# Altium PCB PCB1.PcbDoc (part 2 of 2)
Units mm, origin at the board's own origin, x right, y up, seen from the top; angles counter-clockwise.
Board outline 97.79 x 98.55 mm, 2 copper layers (Top Layer, Bottom Layer); 91 components, 149 nets, 486 pads, 202 vias.
Unrouted connection lines stored in the file: 1.
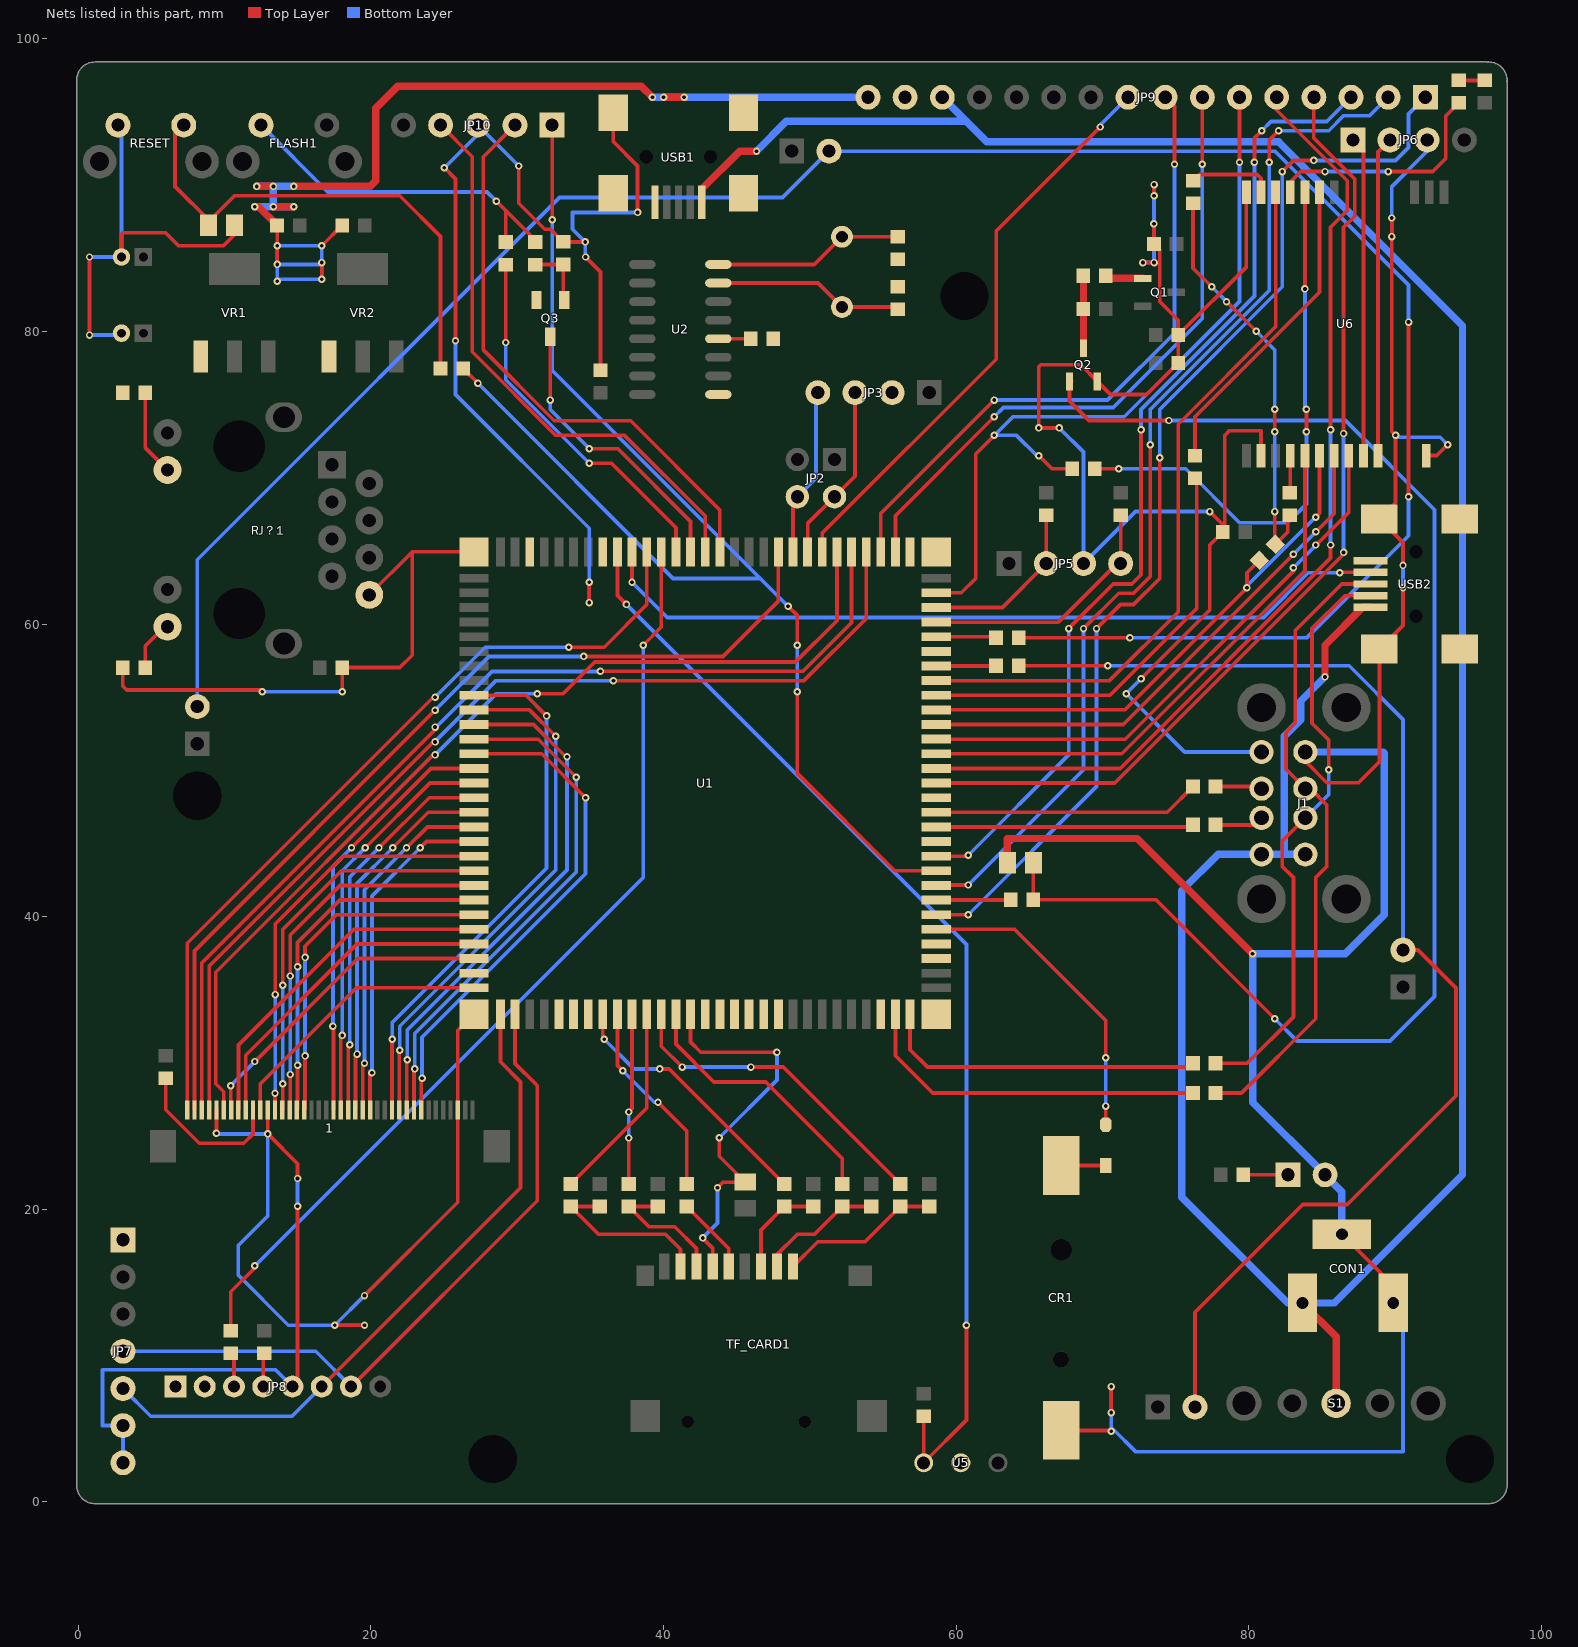
[diagram p2: the nets of this part, all layers, seen from the top]

## Via types
v1: diameter 0.508, hole 0.254, Top Layer to Bottom Layer, 202 vias

## Nets (pads, with @x,y where several pads share a name; then routed paths per layer and width w, separated by ;. In a path a pad name is that pad's centre, name@x,y a point inside that pad or via, vN(x,y) a via of type N, cw(c..) or ccw(c..) an arc to the next point about the centre after c; other vN are vias at no path point) (continued)
GND: 1.5 1.12 1.38 C1.1 C2.1 C3.1 C4.1 C11.2 C12.1 C13.2 C14.1 C15.2 C16.2 C17.2 C18.2 C20.1 C21.1 CON1.2 CON1.3 CR1.2 E1.2 E2.2 J1.4 J1.10 JP3.2 JP5.3 JP6.3 JP7.1 JP7.6 JP7.7 JP8.5 JP9.15 JP9.16 JP10.3 LED1.2 Q2.2 Q3.2 R10.1 R11.1 R33.1 RESET.2 RJ？1.8 TF_CARD1.6 U1.28 U1.36 U1.43 U1.56 U1.61 U1.62 U1.69 U1.72 U1.82 U1.88 U1.109 U1.114 U1.117 U1.118 U1.119 U1.120 U2.1 U5.2 U6.10 U6.12 U6.21 USB1.5 USB2.5 VR1.1 VR2.1 | length 623.7
  Top Layer w0.254: v1(0.762,79.756) v1(0.762,85.09) ; E1.2@2.945,85.09 2.945,86.638 3.048,86.741 5.969,86.741 6.858,85.852 9.906,85.852 10.669,86.615 C18.2@10.669,87.249 ; R11.1@3.04,57.023 3.04,55.761 3.302,55.499 12.446,55.499 v1(12.573,55.372) ; v1(9.439,25.187) 1.5@9.439,26.797 ; 1.12@12.939,26.797 12.939,25.161 v1(12.954,25.146) 14.986,23.114 v1(14.986,22.098) ; C3.1@13.581,87.249 13.589,87.241 v1(13.589,85.852) v1(13.589,84.582) ; JP8.5@14.636,7.874 14.986,8.224 v1(14.986,20.193) ; v1(16.637,83.566) v1(16.637,84.709) ; v1(16.637,85.86) C1.1@18.026,87.249 ; v1(17.526,12.065) v1(19.558,12.065) ; v1(18.034,55.372) 18.034,57.015 C14.1@18.042,57.023 21.971,57.023 22.822,57.874 22.822,64.933 ; v1(19.558,14.097) 25.939,20.478 1.38@25.939,26.797 25.939,32.221 U1.118@27.051,33.333 ; RJ？1.8@19.886,61.997 22.822,64.933 ; v1(25.019,91.186) 25.781,90.424 v1(25.781,79.375) ; U1.117@27.051,64.933 22.822,64.933 ; v1(30.099,91.313) 30.099,88.773 31.877,86.995 32.274,86.995 R33.1@33.147,86.122 v1(34.655,86.122) ; v1(34.671,85.09) 35.687,84.074 C13.2@35.687,77.351 ; v1(34.925,61.468) v1(34.925,62.865) ; USB1.5@36.571,94.948 36.571,92.969 38.227,91.313 v1(38.227,88.138) ; U1.43@41.851,33.333 41.851,31.428 42.545,30.734 v1(47.752,30.734) ; v1(42.672,18.034) 43.357,17.349 TF_CARD1.6@43.357,16.088 ; v1(43.688,21.463) 44.07,21.845 C17.2@45.593,21.845 43.815,23.623 v1(43.815,24.892) ; v1(67.056,73.406) v1(65.659,73.406) 65.659,77.597 65.786,77.724 68.514,77.724 Q2.2@69.657,76.581 70.546,75.692 73.033,75.692 C2.1@75.192,77.851 C4.1@75.192,79.756 ; CR1.2@67.183,4.877 70.561,4.877 v1(70.612,4.826) ; v1(70.612,6.096) v1(70.612,7.874) ; v1(72.644,56.261) 77.343,60.96 77.343,65.413 C20.1@78.224,66.294 ; v1(72.771,84.709) v1(73.533,84.709) ; v1(73.525,87.368) C21.1@73.525,85.979 73.914,85.59 73.914,82.042 75.192,80.764 C4.1@75.192,79.756 ; v1(73.533,89.281) v1(73.533,90.043) ; v1(77.343,67.691) 78.224,66.81 C20.1@78.224,66.294 ; U6.10@79.843,89.518 79.843,84.407 C4.1@75.192,79.756 ; U6.12@80.843,71.518 80.843,73.223 78.684,73.223 78.359,72.898 78.359,66.429 C20.1@78.224,66.294 ; J1.10@83.876,51.252 83.876,50.617 85.344,49.149 87.503,49.149 88.94,50.586 USB2.5@88.94,58.288 90.551,59.899 v1(90.551,62.484) ; CON1.3@86.376,18.289 89.876,14.789 CON1.2@89.876,13.589 ; v1(89.789,87.757) v1(89.789,86.487) 89.789,73.152 v1(90.043,72.898) 90.043,68.291 USB2.5@88.94,67.188 90.551,65.577 v1(90.551,64.008) ; U6.21@92.143,71.518 92.854,71.518 v1(93.599,72.263)
  Top Layer w0.508: v1(12.065,88.519) 12.311,88.519 C3.1@13.581,87.249 ; v1(12.192,89.916) v1(13.335,89.916) ; v1(13.335,88.519) v1(14.732,88.519) ; v1(14.732,89.916) 19.939,89.916 20.32,90.297 20.32,95.25 21.844,96.774 38.481,96.774 v1(39.243,96.012) ; v1(40.005,96.012) v1(41.402,96.012) ; C11.2@63.499,43.688 63.499,45.338 63.5,45.339 72.39,45.339 v1(80.264,37.465)
  Bottom Layer w0.254: v1(0.762,79.756) 2.818,79.756 E2.2@2.945,79.883 ; v1(0.762,85.09) E1.2@2.945,85.09 2.945,93.865 RESET.2@2.703,94.107 ; JP7.7@3.048,2.667 JP7.6@3.048,5.207 1.651,5.207 1.651,9.017 13.493,9.017 JP8.5@14.636,7.874 ; v1@9.398,25.146 v1(9.439,25.187) 9.48,25.146 v1(12.954,25.146) 12.954,19.558 10.922,17.526 10.922,15.494 14.351,12.065 v1(17.526,12.065) ; v1(12.573,55.372) v1(18.034,55.372) ; v1(13.589,83.439) v1@13.589,83.566 ; v1(13.589,85.852) v1(13.589,84.582) ; v1@13.589,85.86 v1(16.637,85.86) v1(16.637,84.709) ; v1(14.986,20.193) v1(14.986,22.098) ; v1(19.558,12.065) v1(17.526,12.065) ; v1(19.558,14.097) v1(17.526,12.065) ; v1(25.019,91.186) 27.305,93.472 JP10.3@27.305,94.107 v1(30.099,91.313) ; v1(25.781,79.375) 25.781,75.692 34.925,66.548 v1(34.925,62.865) ; v1(34.671,85.09) 34.655,85.106 v1(34.655,86.122) 33.782,86.995 33.782,88.138 v1(38.227,88.138) ; v1(34.925,61.468) v1@34.925,62.738 ; v1(42.672,18.034) 43.688,19.05 v1(43.688,21.463) ; v1(43.815,24.892) 47.752,28.829 v1(47.752,30.734) ; v1(65.659,73.406) v1(67.056,73.406) 68.707,71.755 JP5.3@68.707,64.135 72.263,67.691 v1(77.343,67.691) ; v1(70.612,4.826) v1@70.612,4.953 ; v1(70.612,7.874) v1(70.612,6.096) v1@70.612,4.953 ; v1(72.644,56.261) v1(71.628,55.245) 75.621,51.252 J1.4@80.876,51.252 ; v1(72.771,84.709) v1(73.533,84.709) ; v1(73.525,87.368) 73.525,89.273 v1(73.533,89.281) ; v1(73.533,90.043) v1(73.533,89.281) ; v1@73.66,84.709 v1(73.533,84.709) ; v1(89.789,86.487) v1(89.789,87.757) 89.789,89.916 92.202,92.329 JP6.3@92.202,93.091 ; CON1.2@89.876,13.589 90.551,12.914 90.551,3.429 72.263,3.429 70.739,4.953 v1@70.612,4.953 ; v1(90.043,72.898) 90.17,72.771 93.091,72.771 v1(93.599,72.263) ; v1(90.551,62.484) v1(90.551,64.008) ; v1@13.589,83.566 v1(13.589,84.582) ; v1@13.589,83.566 v1(16.637,83.566) 16.637,84.582 v1(13.589,84.582) ; v1(73.533,84.709) v1(73.533,89.281)
  Bottom Layer w0.508: v1(12.065,88.519) v1(13.335,88.519) ; v1(12.192,89.916) v1(13.335,89.916) ; v1(14.732,88.519) v1(13.335,88.519) ; v1(14.732,89.916) v1(13.335,89.916) ; v1(39.243,96.012) v1(40.005,96.012) v1(41.402,96.012) JP9.16@53.975,96.012 ; J1.10@83.876,51.252 89.21,51.252 89.281,51.181 89.281,40.132 86.614,37.465 v1(80.264,37.465) 80.264,27.313 LED1.2@85.225,22.352 86.376,21.201 CON1.3@86.376,18.289 ; v1(13.335,88.519) v1(13.335,89.916)
GPIO_AD_B0_04: R32.1 U1.104 | length 25.4
  Top Layer w0.254: v1(29.21,79.248) R32.1@29.21,84.574 ; v1(34.925,70.993) 36.449,70.993 40.851,66.591 U1.104@40.851,64.933
  Bottom Layer w0.254: v1(29.21,79.248) 29.21,76.708 v1(34.925,70.993)
GPIO_AD_B0_05: Q3.3 U1.103 | length 19.8
  Top Layer w0.254: v1(32.258,75.311) 32.258,78.897 Q3.3@32.258,79.649 ; v1(34.925,71.993) 36.863,71.993 41.851,67.005 U1.103@41.851,64.933
  Bottom Layer w0.254: v1(32.258,75.311) 32.258,74.66 v1(34.925,71.993)
I2C1_SCL: 1.3 U1.92 | length 69
  Top Layer w0.254: 1.3@8.439,26.797 8.439,36.832 24.384,52.777 v1(24.384,52.959) ; v1(35.687,56.769) 49.53,56.769 52.851,60.09 U1.92@52.851,64.933
  Bottom Layer w0.254: v1(24.384,52.959) 24.47,52.959 28.272,56.761 35.679,56.761 v1(35.687,56.769)
I2C1_SDA: 1.4 U1.91 | length 69.1
  Top Layer w0.254: 1.4@8.939,26.797 8.939,36.625 24.257,51.943 v1(24.384,51.943) ; v1(36.576,56.134) 49.602,56.134 53.851,60.383 U1.91@53.851,64.933
  Bottom Layer w0.254: v1(24.384,51.943) 24.384,51.975 28.543,56.134 v1(36.576,56.134)
I2C3_SCL: JP5.4 R29.1 U1.84 | length 17.5
  Top Layer w0.254: U1.84@58.651,60.133 66.991,60.133 70.993,64.135 JP5.4@71.247,64.135 R29.1@71.247,67.429
I2C3_SDA: JP5.2 R28.1 U1.85 | length 12.1
  Top Layer w0.254: U1.85@58.651,61.133 63.165,61.133 JP5.2@66.167,64.135 R28.1@66.167,67.429
IO_0: JP9.1 U1.64 | length 75.6
  Top Layer w0.254: U1.64@58.651,40.133 v1(60.832,40.133) ; v1(69.596,59.69) 71.247,61.341 72.136,61.341 73.914,63.119 v1(73.914,71.374) ; v1(82.296,90.932) 83.058,91.694 v1(84.455,91.694)
  Bottom Layer w0.254: v1(60.832,40.133) 69.596,48.897 v1(69.596,59.69) ; v1(73.914,71.374) 73.914,74.676 82.296,83.058 v1(82.296,90.932) ; v1(84.455,91.694) 90.043,91.694 90.932,92.583 90.932,94.869 JP9.1@92.075,96.012
IO_1: JP9.2 U1.66 | length 71.6
  Top Layer w0.254: U1.66@58.651,42.133 58.682,42.164 v1(60.833,42.164) ; v1(68.707,59.69) 71.12,62.103 72.136,62.103 73.279,63.246 v1(73.279,72.263) ; v1(81.407,91.567) 81.407,93.091 v1(82.042,93.726)
  Bottom Layer w0.254: v1(60.833,42.164) 68.707,50.038 v1(68.707,59.69) ; v1(73.279,72.263) 73.279,74.676 81.407,82.804 v1(81.407,91.567) ; v1(82.042,93.726) 85.471,93.726 86.487,94.742 88.265,94.742 JP9.2@89.535,96.012
IO_2: JP9.3 U1.68 | length 68
  Top Layer w0.254: U1.68@58.651,44.133 60.896,44.133 v1(60.833,44.196) ; v1(67.691,59.69) 70.739,62.738 72.009,62.738 72.644,63.373 v1(72.644,73.279) ; v1(80.391,91.567) 80.391,93.218 v1(80.899,93.726)
  Bottom Layer w0.254: v1(60.833,44.196) 67.691,51.054 v1(67.691,59.69) ; v1(72.644,73.279) 72.644,74.676 80.391,82.423 v1(80.391,91.567) ; v1(80.899,93.726) 81.534,94.361 85.344,94.361 JP9.3@86.995,96.012
IO_3: JP9.4 U1.73 | length 67
  Top Layer w0.254: U1.73@58.651,49.133 70.85,49.133 86.487,64.77 v1(86.487,64.897) ; JP9.4@84.455,96.012 84.455,93.218 87.249,90.424 87.249,87.884 86.487,87.122 v1(86.487,73.025)
  Bottom Layer w0.254: v1(86.487,64.897) v1(86.487,73.025)
IO_4: JP9.5 U1.74 | length 66.9
  Top Layer w0.254: U1.74@58.651,50.133 71.215,50.133 85.598,64.516 v1(85.598,65.405) ; JP9.5@81.915,96.012 81.915,95.123 86.741,90.297 86.741,88.265 85.598,87.122 v1(85.598,73.279)
  Bottom Layer w0.254: v1(85.598,65.405) v1(85.598,73.279)
IO_5: JP9.6 R46.1 U1.86 | length 54.2
  Top Layer w0.254: U1.86@58.651,62.133 60.355,62.133 61.341,63.119 61.341,71.628 v1(62.611,72.898) ; v1(65.659,71.501) 66.548,70.612 R46.1@67.937,70.612 ; v1(79.375,91.567) JP9.6@79.375,96.012
  Bottom Layer w0.254: v1(65.659,71.501) 65.532,71.501 64.135,72.898 v1(62.611,72.898) 63.881,74.168 71.501,74.168 79.375,82.042 v1(79.375,91.567)
IO_6: JP9.7 U1.89 | length 44.2
  Top Layer w0.254: U1.89@55.851,64.933 55.851,67.408 v1(62.611,74.168) ; v1(76.835,91.44) JP9.7@76.835,96.012
  Bottom Layer w0.254: v1(62.611,74.168) 63.246,74.803 70.739,74.803 76.835,80.899 v1(76.835,91.44)
IO_7: JP9.8 U1.90 | length 44.2
  Top Layer w0.254: U1.90@54.851,64.933 54.851,67.551 v1(62.611,75.311) ; JP9.8@74.295,96.012 74.93,95.377 v1(74.93,91.44)
  Bottom Layer w0.254: v1(62.611,75.311) 70.358,75.311 74.93,79.883 v1(74.93,91.44)
IO_8: JP9.9 U1.94 | length 39.7
  Top Layer w0.254: U1.94@50.851,64.933 50.851,66.218 62.738,78.105 62.738,86.868 v1(69.85,93.98)
  Bottom Layer w0.254: v1(69.85,93.98) 69.85,94.107 JP9.9@71.755,96.012
JTAG_TCK: JP10.2 U1.101 | length 39.8
  Top Layer w0.254: JP10.2@29.845,94.107 27.686,91.948 27.686,78.74 32.528,73.898 37.752,73.898 43.851,67.799 U1.101@43.851,64.933
JTAG_TMS: JP10.4 U1.102 | length 39.4
  Top Layer w0.254: JP10.4@24.765,94.107 26.924,91.948 26.924,78.613 32.639,72.898 37.338,72.898 42.851,67.385 U1.102@42.851,64.933
LCD_B3: 1.17 U1.24 | length 23.7
  Top Layer w0.254: 1.17@15.439,26.797 15.494,26.852 v1(15.494,30.48) ; v1(15.494,37.211) 15.494,37.973 17.654,40.133 U1.24@27.051,40.133
  Bottom Layer w0.254: v1(15.494,30.48) v1(15.494,37.211)
LCD_B4: 1.16 U1.23 | length 24.7
  Top Layer w0.254: 1.16@14.939,26.797 14.986,26.844 v1(14.986,29.845) ; v1(14.986,36.576) 14.986,38.227 17.892,41.133 U1.23@27.051,41.133
  Bottom Layer w0.254: v1(14.986,29.845) v1(14.986,36.576)
LCD_B5: 1.15 U1.22 | length 25.9
  Top Layer w0.254: 1.15@14.439,26.797 14.478,26.836 v1(14.478,29.21) ; v1(14.478,35.941) 14.478,38.735 17.876,42.133 U1.22@27.051,42.133
  Bottom Layer w0.254: v1(14.478,29.21) v1(14.478,35.941)
LCD_B6: 1.14 U1.21 | length 27.1
  Top Layer w0.254: 1.14@13.939,26.797 13.97,26.828 v1(13.97,28.575) ; v1(13.97,35.306) 13.97,39.116 17.987,43.133 U1.21@27.051,43.133
  Bottom Layer w0.254: v1(13.97,28.575) v1(13.97,35.306)
LCD_B7: 1.13 U1.20 | length 28.2
  Top Layer w0.254: 1.13@13.439,26.797 v1(13.439,27.917) ; v1(13.462,34.671) 13.462,39.497 18.098,44.133 U1.20@27.051,44.133
  Bottom Layer w0.254: v1(13.439,27.917) 13.462,27.94 v1(13.462,34.671)
LCD_BL: 1.6 U1.93 | length 66.9
  Top Layer w0.254: 1.6@9.939,26.797 9.939,28.034 9.398,28.575 9.398,36.195 24.384,51.181 v1(24.384,51.054) ; v1(31.369,55.245) 33.147,55.245 35.306,57.404 49.022,57.404 51.851,60.233 U1.93@51.851,64.933
  Bottom Layer w0.254: v1(24.384,51.054) 28.575,55.245 v1(31.369,55.245)
LCD_CLK: 1.11 U1.29 | length 19.1
  Top Layer w0.254: 1.11@12.439,26.797 12.439,28.568 19.004,35.133 U1.29@27.051,35.133
LCD_ENABLE: 1.7 U1.27 | length 21.9
  Top Layer w0.254: 1.7@10.414,27.074 v1@10.414,28.361 ; v1@10.414,28.511 v1(10.414,28.448) ; v1@10.439,28.261 ccw(c10.227,28.261) v1@10.414,28.361 ; v1@10.439,28.411 v1(10.414,28.448) ; v1(12.065,30.099) 19.099,37.133 U1.27@27.051,37.133 ; v1@10.414,28.361 ccw(c10.227,28.261) 10.377,28.411 v1(10.414,28.448) ; v1@10.414,28.361 v1(10.414,28.448)
  Bottom Layer w0.254: v1(10.414,28.448) v1(12.065,30.099)
LCD_G2: 1.26 U1.19 | length 23.2
  Top Layer w0.254: 1.26@19.939,26.797 19.939,29.21 v1(20.066,29.337) ; v1(23.368,44.704) 23.797,45.133 U1.19@27.051,45.133
  Bottom Layer w0.254: v1(20.066,29.337) 20.066,41.402 v1(23.368,44.704)
LCD_G3: 1.25 U1.18 | length 24.6
  Top Layer w0.254: 1.25@19.439,26.797 19.439,29.853 v1(19.558,29.972) ; v1@22.327,44.602 v1(22.428,44.704) 23.857,46.133 U1.18@27.051,46.133
  Bottom Layer w0.254: v1(19.558,29.972) 19.558,41.834 v1(22.428,44.704) ; v1@22.301,44.704 v1@22.352,44.704
LCD_G4: 1.24 U1.17 | length 25.5
  Top Layer w0.254: 1.24@18.939,26.797 18.939,30.496 v1(19.05,30.607) ; v1(21.488,44.704) 23.917,47.133 U1.17@27.051,47.133
  Bottom Layer w0.254: v1(19.05,30.607) 19.05,42.266 v1(21.488,44.704)
LCD_G5: 1.23 U1.16 | length 26.8
  Top Layer w0.254: 1.23@18.415,26.821 1.23@18.439,26.797 18.439,31.139 v1(18.542,31.242) ; v1@20.422,44.704 v1@20.422,44.729 ; v1@20.574,44.729 23.978,48.133 U1.16@27.051,48.133
  Bottom Layer w0.254: v1(18.542,31.242) 18.542,42.697 v1(20.549,44.704) ; v1@20.422,44.704 v1@20.447,44.704
LCD_G6: 1.22 U1.15 | length 28
  Top Layer w0.254: 1.22@17.907,26.829 1.22@17.939,26.797 17.939,31.782 v1(18.034,31.877) ; v1@19.482,44.704 v1@19.533,44.704 ; v1(19.609,44.704) 24.038,49.133 U1.15@27.051,49.133
  Bottom Layer w0.254: v1(18.034,31.877) 18.034,43.129 v1@19.558,44.653 ; v1@19.482,44.653 v1@19.482,44.704
LCD_G7: 1.21 U1.14 | length 29.1
  Top Layer w0.254: v1(17.399,32.512) 17.439,32.472 1.21@17.439,26.797 ; v1(18.669,44.704) 24.098,50.133 U1.14@27.051,50.133
  Bottom Layer w0.254: v1(17.399,32.512) 17.399,43.434 v1(18.669,44.704)
LCD_HSYNC: 1.9 U1.26 | length 22.5
  Top Layer w0.254: 1.9@11.439,26.797 11.439,30.523 19.049,38.133 U1.26@27.051,38.133
LCD_R3: 1.33 U1.13 | length 34.9
  Top Layer w0.254: 1.33@23.439,26.797 23.439,28.9 v1(23.495,28.956) ; U1.13@27.051,51.133 31.671,51.133 v1(34.671,48.133)
  Bottom Layer w0.254: v1(23.495,28.956) 23.495,31.75 34.671,42.926 v1(34.671,48.133)
LCD_R4: 1.32 U1.12 | length 35.4
  Top Layer w0.254: 1.32@22.939,26.797 22.939,29.543 v1(22.987,29.591) ; U1.12@27.051,52.133 31.433,52.133 v1(34.036,49.53)
  Bottom Layer w0.254: v1(22.987,29.591) 22.987,32.004 34.036,43.053 v1(34.036,49.53)
LCD_R5: 1.31 U1.11 | length 36.4
  Top Layer w0.254: 1.31@22.439,26.797 22.439,30.186 v1(22.479,30.226) ; U1.11@27.471,52.959 cw(c27.471,53.553) U1.11@27.051,53.133 31.112,53.133 33.318,50.927 v1(33.401,50.927)
  Bottom Layer w0.254: v1(22.479,30.226) 22.479,32.258 33.401,43.18 v1(33.401,50.927)
LCD_R6: 1.30 U1.10 | length 36.3
  Top Layer w0.254: 1.30@21.939,26.797 21.939,30.829 v1(21.971,30.861) ; U1.10@27.051,54.133 30.83,54.133 v1(32.639,52.324)
  Bottom Layer w0.254: v1(21.971,30.861) 21.971,32.512 32.639,43.18 v1(32.639,52.324)
LCD_R7: 1.29 U1.9 | length 36.8
  Top Layer w0.254: 1.29@21.439,26.797 21.439,31.599 v1(21.463,31.623) ; U1.9@27.051,55.133 30.592,55.133 v1(32.004,53.721)
  Bottom Layer w0.254: v1(21.463,31.623) 21.463,32.766 32.004,43.307 v1(32.004,53.721)
LCD_VSYNC: 1.8 U1.25 | length 23.8
  Top Layer w0.254: 1.8@10.939,26.797 10.939,31.225 18.847,39.133 U1.25@27.051,39.133
LIDAR_EN: R47.2 U1.105 | length 65.4
  Top Layer w0.254: R47.2@10.414,11.692 10.414,14.351 12.065,16.002 v1(12.065,16.129) ; v1(38.608,58.547) 39.851,59.79 U1.105@39.851,64.933
  Bottom Layer w0.254: v1(12.065,16.129) 38.608,42.672 v1(38.608,58.547)
MJIOT_A5: R49.2 U6.14 | length 2.6
  Top Layer w0.254: R49.2@82.677,68.969 82.843,69.135 U6.14@82.843,71.518
MJIOT_A12: R52.2 U6.9 | length 5.9
  Top Layer w0.254: R52.2@76.2,90.305 76.629,90.734 80.589,90.734 80.843,90.48 U6.9@80.843,89.518
MJIOT_LED: D2.K U6.7 | length 16.2
  Top Layer w0.254: U6.7@82.843,89.518 82.843,90.209 83.566,90.932 v1(85.217,90.932) ; v1(89.535,90.932) 92.583,90.932 93.472,91.821 93.472,94.734 D2.K@94.361,95.623
  Bottom Layer w0.254: v1(85.217,90.932) v1(89.535,90.932)
MJIOT_RXD: JP6.2 U6.20 | length 21.9
  Top Layer w0.254: U6.20@88.843,71.518 88.843,92.272 JP6.2@89.662,93.091
MJIOT_TXD: JP6.1 U6.19 | length 21.9
  Top Layer w0.254: JP6.1@87.122,93.091 87.843,92.37 U6.19@87.843,71.518
NC: JP8.1
Net1_10: 1.10 R27.1 | length 11
  Top Layer w0.254: R27.1@5.969,28.948 5.969,26.797 8.255,24.511 11.303,24.511 11.939,25.147 1.10@11.939,26.797
NetANT1_1: 
NetC5_1: 
NetC7_1: 
NetC9_1: 
NetC11_1: C11.1 Q2.1 R4.1 | length 98.4
  Top Layer w0.254: C11.1@65.66,43.688 65.278,43.306 65.278,41.148 R4.1@65.286,41.148 73.66,41.148 v1(81.788,33.02) ; Q2.1@67.757,76.581 67.757,75.245 69.088,73.914 v1(74.549,73.914) ; Q2.1@67.818,76.581 67.818,76.422 cw(c68.043,76.422) Q2.1@67.884,76.581
  Bottom Layer w0.254: v1(74.549,73.914) 86.614,73.914 92.71,67.818 92.71,34.544 89.662,31.496 83.312,31.496 v1(81.788,33.02)
NetC12_2: C12.2 U2.4 | length 2.2
  Top Layer w0.254: U2.4@43.748,79.502 C12.2@45.966,79.502
NetC15_1: C15.1 U2.7 X1.1 | length 13
  Top Layer w0.254: U2.7@43.748,83.312 50.559,83.312 X1.1@52.197,81.674 55.843,81.674 C15.1@56.007,81.51
NetC16_1: C16.1 U2.8 X1.2 | length 13
  Top Layer w0.254: U2.8@43.748,84.582 50.305,84.582 X1.2@52.197,86.474 55.994,86.474 C16.1@56.007,86.487
NetC18_1: C18.1 R30.1 RESET.1 | length 34.8
  Top Layer w0.254: RESET.1@7.203,94.107 6.604,93.508 6.604,89.916 C18.1@9.009,87.511 ; C18.1@9.009,87.249 C18.1@9.009,87.511 ; R30.1@24.757,77.47 24.757,86.495 21.971,89.281 10.668,89.281 9.009,87.622 C18.1@9.009,87.511
NetC19_2: 
NetC22_1: 
NetC23_1: 
NetC24_1: 
NetCR1_1: CR1.1 D1.1 | length 3
  Top Layer w0.254: CR1.1@67.183,22.987 70.228,22.987 D1.1@70.231,22.984
NetD2_A: D2.A R51.2 | length 1.8
  Top Layer w0.254: D2.A@94.361,97.163 R51.2@96.139,97.163
NetFLASH1_2: FLASH1.2 R31.1 R32.2 | length 24.3
  Top Layer w0.254: v1(28.575,88.9) 29.21,88.265 ; R32.2@29.21,86.114 29.21,88.265 ; R31.1@31.242,86.114 31.242,86.233 29.21,88.265
  Bottom Layer w0.254: FLASH1.2@12.482,94.107 17.054,89.535 27.94,89.535 v1(28.575,88.9)
Netinfrared1_2: infrared1.2 infrared2.2 R35.1 | length 154.9
  Top Layer w0.254: R35.1@64.27,59.055 v1(71.882,59.055) ; v1(90.932,68.707) v1(90.932,80.645)
  Bottom Layer w0.254: infrared1.2@8.128,54.356 8.128,64.389 32.893,89.154 48.133,89.154 infrared2.2@51.308,92.329 81.788,92.329 90.932,83.185 v1(90.932,80.645) ; v1(71.882,59.055) 83.947,59.055 90.932,66.04 v1(90.932,68.707)
Netinfrared3_2: infrared3.2 infrared4.2 R43.1 | length 86.1
  Top Layer w0.254: R43.1@64.27,57.15 v1(70.358,57.15) ; infrared3.2@76.327,6.477 76.327,12.954 83.693,20.32 86.741,20.32 94.17,27.749 94.17,35.115 91.567,37.719 infrared4.2@90.551,37.719
  Bottom Layer w0.254: v1(70.358,57.15) 86.868,57.15 90.551,53.467 infrared4.2@90.551,37.719
NetJP8_2: JP8.2 JP8.3 R47.1 | length 2.4
  Top Layer w0.254: R47.1@10.414,10.152 10.636,9.93 JP8.3@10.636,7.874
NetJP8_4: JP8.4 R48.1 | length 2.4
  Top Layer w0.254: JP8.4@12.636,7.874 12.636,10.088 R48.1@12.7,10.152
  Top Layer w0.508: JP8.4@12.636,7.874 JP8.4@12.7,7.938
NetL1_1: 
NetLED1_1: LED1.1 R2.1 | length 3
  Top Layer w0.254: R2.1@79.637,22.352 LED1.1@82.685,22.352
NetQ1_1: Q1.1 R3.1 | length 2.6
  Top Layer w0.508: R3.1@70.239,83.82 70.432,83.627 Q1.1@72.771,83.627
NetQ2_3: Q2.3 R1.1 R3.2 | length 5
  Top Layer w0.508: R3.2@68.699,83.82 68.707,83.812 Q2.3@68.707,78.867
NetQ3_1: Q3.1 R31.2 R33.2 | length 4.4
  Top Layer w0.254: R31.2@31.242,84.574 33.139,84.574 R33.2@33.147,84.582 33.147,82.21 Q3.1@33.208,82.149
NetR10_2: R10.2 RJ？1.10 | length 5.9
  Top Layer w0.254: R10.2@4.58,75.819 4.58,72.043 RJ？1.10@6.096,70.527
NetR11_2: R11.2 RJ？1.12 | length 3.5
  Top Layer w0.254: R11.2@4.58,57.023 4.58,58.517 5.88,59.817 RJ？1.12@6.096,59.817
NetR14_1: R14.1 R26.2 TF_CARD1.8 | length 11.9
  Top Layer w0.254: R26.2@35.636,20.185 R14.1@33.655,20.185 35.552,18.288 40.132,18.288 41.157,17.263 TF_CARD1.8@41.157,16.088
NetR15_1: R15.1 R25.2 TF_CARD1.7 | length 9.3
  Top Layer w0.254: R25.2@39.599,19.964 R25.2@39.599,20.185 R15.1@37.617,20.185 39.006,18.796 40.767,18.796 42.257,17.306 TF_CARD1.7@42.257,16.088
NetR18_1: R18.1 TF_CARD1.5 | length 5.3
  Top Layer w0.254: R18.1@41.58,20.185 44.457,17.308 TF_CARD1.5@44.457,16.088
NetR19_1: R19.1 R24.2 TF_CARD1.3 | length 6.7
  Top Layer w0.254: TF_CARD1.3@46.657,16.088 46.657,18.582 R19.1@48.26,20.185 R24.2@50.241,20.185
NetR20_1: R20.1 R23.2 TF_CARD1.2 | length 8.6
  Top Layer w0.254: TF_CARD1.2@47.757,16.088 47.757,16.896 49.149,18.288 50.325,18.288 R20.1@52.222,20.185 R23.2@54.204,20.185
NetR21_1: R21.1 R22.2 TF_CARD1.1 | length 11
  Top Layer w0.254: TF_CARD1.1@48.857,16.088 50.549,17.78 53.78,17.78 R21.1@56.185,20.185 R22.2@58.166,20.185
NetR36_2: 
NetR37_2: 
NetR45_2: R45.2 U6.5 | length 21.7
  Top Layer w0.254: R45.2@76.2,71.382 R45.2@76.327,71.509 76.327,74.168 84.843,82.684 U6.5@84.843,89.518
NetR46_2: R46.2 U6.6 | length 37.9
  Top Layer w0.254: R46.2@69.477,70.612 v1(71.12,70.612) ; v1(83.843,82.908) U6.6@83.843,89.518 ; v1(83.947,73.152) v1(83.947,74.676)
  Bottom Layer w0.254: v1(71.12,70.612) 75.692,70.612 79.375,66.929 82.677,66.929 83.947,68.199 v1(83.947,73.152) ; v1(83.843,82.908) 83.843,74.78 v1(83.947,74.676)
NetR49_1: R49.1 R50.2 R52.1 | length 27.9
  Top Layer w0.254: R52.1@76.2,88.765 76.2,84.328 v1(77.47,83.058) ; v1(78.486,82.042) v1(80.518,80.01) ; v1(81.788,67.691) 81.788,65.478 R50.2@81.824,65.441 ; v1(81.788,73.152) v1(81.788,74.676) ; R50.2@81.824,65.568 81.951,65.568 82.677,66.294 R49.1@82.677,67.429
  Bottom Layer w0.254: v1(77.47,83.058) v1(78.486,82.042) ; v1(80.518,80.01) 81.788,78.74 v1(81.788,74.676) ; v1(81.788,67.691) v1(81.788,73.152)
OTG1_DN: R12.1 U1.70 | length 17.6
  Top Layer w0.254: U1.70@58.651,46.133 76.055,46.133 R12.1@76.192,46.27
OTG1_DP: R16.1 U1.71 | length 18.3
  Top Layer w0.254: U1.71@58.651,47.133 74.43,47.133 R16.1@76.192,48.895
OTG2_DN: R13.1 U1.58 | length 22.4
  Top Layer w0.254: U1.58@56.851,33.333 56.851,30.906 58.039,29.718 75.938,29.718 R13.1@76.192,29.972
OTG2_DP: R17.1 U1.57 | length 24.2
  Top Layer w0.254: U1.57@55.851,33.333 55.851,30.492 58.403,27.94 R17.1@76.192,27.94
PMIC_ON: R4.2 U1.65 | length 5.1
  Top Layer w0.254: U1.65@58.651,41.133 R4.2@63.337,41.133 ; R4.2@63.373,41.148 cw(c63.337,41.184) R4.2@63.337,41.133 ; R4.2@63.746,41.133 R4.2@63.337,41.133
POR_B: JP10.1 R30.2 U1.67 | length 89.8
  Top Layer w0.254: R30.2@26.297,77.47 v1(27.313,76.454) ; v1(32.385,87.63) JP10.1@32.385,94.107 ; v1(48.514,61.214) 49.149,60.579 v1(49.149,58.547) ; v1(49.149,55.372) 49.149,49.784 55.8,43.133 U1.67@58.651,43.133
  Bottom Layer w0.254: v1(27.313,76.454) 40.648,63.119 46.609,63.119 ; v1(32.385,87.63) 32.385,77.343 46.609,63.119 ; v1(48.514,61.214) 46.609,63.119 ; v1(49.149,55.372) v1(49.149,58.547)
PWM4_PWM0_A: R35.2 U1.83 | length 4.1
  Top Layer w0.254: U1.83@58.651,59.133 62.652,59.133 R35.2@62.73,59.055
PWM4_PWM1_A: R43.2 U1.81 | length 4.1
  Top Layer w0.254: U1.81@58.651,57.133 62.713,57.133 R43.2@62.73,57.15
RW007_INT: U1.80 U6.8 | length 49.9
  Top Layer w0.254: U1.80@58.651,56.133 70.484,56.133 75.184,60.833 75.184,73.66 81.843,80.319 U6.8@81.843,89.518
RW007_REST: R45.1 U1.79 | length 29.1
  Top Layer w0.254: U1.79@58.651,55.133 70.517,55.133 76.454,61.07 76.454,69.588 R45.1@76.2,69.842
SD1_CLK: R18.2 U1.38 | length 13.7
  Top Layer w0.254: U1.38@36.851,33.333 36.851,29.824 v1(37.211,29.464) ; v1(39.624,27.305) 41.58,25.349 R18.2@41.58,21.725
  Bottom Layer w0.254: v1(37.211,29.464) 39.37,27.305 v1(39.624,27.305)
SD1_CMD: R19.2 U1.37 | length 18.2
  Top Layer w0.254: U1.37@35.851,33.333 35.851,31.713 v1(35.941,31.623) ; v1(39.751,29.591) 40.394,29.591 R19.2@48.26,21.725
  Bottom Layer w0.254: v1(35.941,31.623) 37.973,29.591 v1(39.751,29.591)
SD1_D0: R15.2 U1.39 | length 11.7
  Top Layer w0.254: R15.2@37.617,21.725 v1(37.617,24.867) ; v1(37.617,26.645) 37.851,26.878 U1.39@37.851,33.333
  Bottom Layer w0.254: v1(37.617,24.867) v1(37.617,26.645)
SD1_D1: R14.2 U1.40 | length 13.8
  Top Layer w0.254: R14.2@33.655,21.725 38.851,26.921 U1.40@38.851,33.333
SD1_D2: R21.2 U1.41 | length 22.4
  Top Layer w0.254: U1.41@39.851,33.333 39.851,31.142 v1(41.275,29.718) ; v1(45.974,29.718) 48.192,29.718 R21.2@56.185,21.725
  Bottom Layer w0.254: v1(41.275,29.718) v1(45.974,29.718)
SD1_D3: R20.2 U1.42 | length 18.4
  Top Layer w0.254: U1.42@40.851,33.333 40.851,31.285 43.434,28.702 46.99,28.702 52.222,23.47 R20.2@52.222,21.725
SD2_CLK: U1.48
SD2_CMD: U1.49
SD2_D0: U1.47
SD2_D1: U1.46
SD2_D2: U1.45
SD2_D3: U1.44
SPI3_CLK: U1.75 U6.15 | length 38.2
  Top Layer w0.254: U1.75@58.651,51.133 71.326,51.133 83.843,63.65 U6.15@83.843,71.518
SPI3_CS0: R50.1 U1.78 U6.16 | length 38.2
  Top Layer w0.254: U1.78@58.651,54.133 71.532,54.133 v1(79.883,62.484) 79.883,63.5 80.609,64.226 R50.1@80.355,64.48 ; v1(84.582,67.31) 84.843,67.571 U6.16@84.843,71.518
  Bottom Layer w0.254: v1(79.883,62.484) 79.883,62.611 v1(84.582,67.31)
SPI3_SIN: U1.77 U6.17 | length 37.1
  Top Layer w0.254: U1.77@58.651,53.133 71.421,53.133 v1(83.058,64.77) ; v1(84.599,66.311) 85.843,67.555 U6.17@85.843,71.518
  Bottom Layer w0.254: v1(83.058,64.77) v1(84.599,66.311)
SPI3_SOUT: U1.76 U6.18 | length 38.6
  Top Layer w0.254: U1.76@58.651,52.133 71.564,52.133 83.058,63.627 v1(83.058,63.847) ; v1(84.582,65.405) 84.616,65.405 86.843,67.632 U6.18@86.843,71.518
  Bottom Layer w0.254: v1(83.058,63.847) 84.582,65.371 v1(84.582,65.405)
TMR3_TIMER1: R34.1 U1.108 U5.1 | length 76.6
  Top Layer w0.254: U1.108@36.851,64.933 36.851,61.955 v1(37.465,61.341) ; R34.1@57.658,5.85 57.785,5.723 U5.1@57.785,2.667 60.706,5.588 v1(60.706,12.065)
  Bottom Layer w0.254: v1(37.465,61.341) 60.706,38.1 v1(60.706,12.065)
TOUCH_INT: 1.1 U1.106 | length 55.8
  Top Layer w0.254: 1.1@7.439,26.797 7.439,38.173 v1@24.23,54.964 ; v1(33.528,58.42) 35.941,58.42 38.851,61.33 U1.106@38.851,64.933
  Bottom Layer w0.254: v1(24.384,54.991) 27.813,58.42 v1(33.528,58.42)
TOUCH_RESET: 1.2 U1.97 | length 64
  Top Layer w0.254: 1.2@7.939,26.797 7.939,37.657 v1(24.384,54.102) ; v1(34.544,57.785) 44.069,57.785 47.851,61.567 U1.97@47.851,64.933
  Bottom Layer w0.254: v1(24.384,54.102) 28.067,57.785 v1(34.544,57.785)
UART1_RXD: JP2.2 JP3.3 U1.95 | length 12.3
  Top Layer w0.254: U1.95@49.911,64.993 U1.95@49.851,64.933 49.851,66.869 JP2.2@51.689,68.707 53.086,70.104 JP3.3@53.086,75.819
UART1_TXD: JP2.4 JP3.4 U1.96 | length 11.6
  Top Layer w0.254: U1.96@48.851,64.933 48.851,68.409 JP2.4@49.149,68.707
  Bottom Layer w0.254: JP2.4@49.149,68.707 50.419,69.977 50.419,75.692 JP3.4@50.546,75.819
UART5_RXD: JP7.4 JP8.7 U1.31 | length 48
  Top Layer w0.254: JP8.7@18.636,7.874 18.669,7.874 31.369,20.574 31.369,28.448 29.851,29.966 U1.31@29.851,33.333
  Bottom Layer w0.254: JP7.4@3.048,10.287 16.223,10.287 JP8.7@18.636,7.874
UART5_TXD: JP7.5 JP8.6 U1.30 | length 46.9
  Top Layer w0.254: JP8.6@16.636,7.874 30.225,21.463 ; U1.30@28.851,33.333 28.851,30.077 30.226,28.702 30.226,21.463
  Bottom Layer w0.254: JP7.5@3.048,7.747 4.953,5.842 14.604,5.842 JP8.6@16.636,7.874
USB1_DN: J1.2 R12.2 | length 3.3
  Top Layer w0.254: R12.2@77.732,46.27 80.394,46.27 J1.2@80.876,46.752
USB1_DP: J1.3 R16.2 | length 3.2
  Top Layer w0.254: R16.2@77.732,48.895 80.733,48.895 J1.3@80.876,48.752
USB2_DN: J1.8 R13.2 USB2.2 | length 40.2
  Top Layer w0.254: R13.2@77.732,29.972 79.883,29.972 83.058,33.147 83.058,42.672 82.296,43.434 82.296,45.172 J1.8@83.876,46.752 ; v1(85.471,50.038) 85.471,52.07 84.328,53.213 84.328,59.69 86.576,61.938 USB2.2@88.332,61.938
  Bottom Layer w0.254: J1.8@83.876,46.752 85.471,48.347 v1(85.471,50.038)
USB2_DP: J1.9 R17.2 USB2.3 | length 43.9
  Top Layer w0.254: R17.2@77.732,27.94 79.502,27.94 84.582,33.02 84.582,42.672 85.344,43.434 85.344,47.625 84.217,48.752 J1.9@83.876,48.752 82.55,50.078 82.55,52.578 83.185,53.213 83.185,59.563 86.36,62.738 USB2.3@88.332,62.738
USB_OTG2_ID: U1.107 USB2.4 | length 54.8
  Top Layer w0.254: v1(37.846,62.865) 37.851,62.87 U1.107@37.851,64.933 ; v1(86.233,63.5) 86.271,63.538 USB2.4@88.332,63.538
  Bottom Layer w0.254: v1(37.846,62.865) 40.259,60.452 81.026,60.452 84.074,63.5 v1(86.233,63.5)
VCC: 
VCC5_DC_IN: CON1.1 J1.1 J1.7 JP9.14 S1.2 USB1.1 USB2.1 | length 204.7
  Top Layer w0.508: USB1.1@42.621,88.84 42.621,89.738 45.212,92.329 v1(46.355,92.329) ; CON1.1@83.676,13.589 85.979,11.286 S1.2@85.979,6.731 ; v1(85.217,56.388) 85.217,58.547 87.808,61.138 USB2.1@88.332,61.138
  Bottom Layer w0.508: v1(46.355,92.329) 48.387,94.361 60.706,94.361 ; JP9.14@59.055,96.012 60.706,94.361 ; J1.7@83.876,44.252 82.376,44.252 ; v1(85.217,56.388) 83.566,54.737 83.566,53.467 82.423,52.324 82.423,44.299 82.376,44.252 ; 60.706,94.361 62.103,92.964 82.042,92.964 94.615,80.391 94.615,22.352 85.852,13.589 CON1.1@83.676,13.589 82.677,13.589 75.438,20.828 75.438,41.783 77.907,44.252 J1.1@80.876,44.252 82.376,44.252
VDD_COIN_3V: D1.2 U1.63 | length 21.3
  Top Layer w0.254: U1.63@58.651,39.133 63.991,39.133 70.231,32.893 v1(70.231,30.353) ; D1.2@70.104,25.784 70.231,25.911 v1(70.231,27.051)
  Bottom Layer w0.254: v1(70.231,27.051) v1(70.231,30.353)
WL_HOST_WAKE: U1.35
WL_REG_ON: U1.34
pads on no net: 1.0 1.18 1.19 1.20 1.27 1.28 1.34 1.35 1.36 CR1.0 FLASH1.0 J1.5 J1.6 J1.11 J1.12 JP7.3 JP10.5 RESET.0 RJ？1.0 RJ？1.7 S1.0 S1.1 TF_CARD1.0 TF_CARD1.9 U1.1 U1.2 U1.3 U1.4 U1.5 U1.6 U1.7 U1.8 U1.32 U1.33 U1.50 U1.51 U1.52 U1.53 U1.54 U1.55 U1.87 U1.98 U1.99 U1.100 U2.9 U2.10 U2.11 U2.12 U2.13 U2.14 U2.15 U6.1 U6.2 U6.3 U6.4 U6.13 USB1.4 USB1.MH1 USB1.MH2 USB2.MH1 USB2.MH2

## Polygon pours and split planes (outlines as drawn)
GND on Top Layer "Top Layer-GND" (hatched 90Degree grid 0 track 0.254, remove dead copper, pour order 0): 0,98.298 97.536,98.298 97.536,0 0,0

## Keep-outs
Keep-Out Layer:
  lines w0.254: 96.266,98.298 1.143,98.298 ccw(c1.143,97.155) 0,97.155 0,1.143 ccw(c1.143,1.143) 1.143,0 96.393,0 ccw(c96.393,1.143) 97.536,1.143 97.536,97.028 ; 96.393,98.298 cw(c96.393,97.155) 97.536,97.155 ; 97.409,70.104 95.25,70.104 95.25,91.694 97.409,91.694

## Silkscreen, mask and mechanical layers (free items; w line width, h text height)
Top Overlay:
  lines w0.254: 0.023,-2.007 0.023,-1.499 ; 1.547,-2.261 0.023,-1.753 ; 1.547,-1.245 0.023,-1.753 ; 40.767,-1.753 0.023,-1.753 ; 56.815,-1.753 97.559,-1.753 ; 96.035,-2.261 97.559,-1.753 ; 96.035,-1.245 97.559,-1.753 ; 97.559,-2.007 97.559,-1.499 ; 98.933,1.564 99.441,0.04 ; 98.933,96.687 99.441,98.211 ; 99.187,0.04 99.695,0.04 ; 99.187,98.211 99.695,98.211 ; 99.441,41.356 99.441,0.04 ; 99.441,56.896 99.441,98.211 ; 99.949,1.564 99.441,0.04 ; 99.949,96.687 99.441,98.211
  text "98.171 (mm)" at 100.355,41.61 h1.52 r90
  text "BalanceTWK" at 8.128,39.751 h1.52
  text "97.536 (mm)" at 41.021,-2.667 h1.52
Bottom Overlay:
  lines w0.254: 57.785,91.44 57.785,97.282 ; 60.198,91.44 60.198,92.456 ; 60.198,93.218 60.198,94.107 ; 60.198,94.869 60.198,97.282 ; 70.612,97.536 70.612,91.44 ; 70.612,91.44 63.881,91.44 63.881,92.678 63.881,93.123 63.881,94.615 65.405,94.615 65.405,97.282 70.485,97.282 52.578,97.282 52.578,91.44 70.612,91.44
  text "3.3V" at 70.104,92.329 h1.52
  text "5V" at 63.246,92.202 h1.52
  text "GND" at 57.023,92.075 h1.52
  text "TXD" at 87.122,89.916 h1.52
  text "RXD" at 91.821,89.916 h1.52
  text "TXD" at 51.054,72.39 h1.52
  text "RXD" at 55.626,72.39 h1.52
  text "3.3V" at 62.103,60.96 h1.52
  text "SDA" at 66.802,60.96 h1.52
  text "GND" at 71.628,60.96 h1.52
  text "SCL" at 76.581,60.96 h1.52
  text "RXD" at 8.509,9.525 h1.52
  text "TXD" at 8.636,5.08 h1.52

## Text inside footprints (layer, text, board x,y; h text height)
JP2: Top Overlay "3" at 47.625,71.755 h1.02 r180; Top Overlay "4" at 47.625,69.215 h1.02 r180; Top Overlay "2" at 54.229,69.215 h1.02 r180; Top Overlay "1" at 53.975,71.755 h1.02 r180
RJ？1: Multi-Layer "J10" at 19.246,60.232 h0.64 r180
TF_CARD1: Top Overlay "Cd" at 39.738,14.793 h0.76 r270; Top Overlay "8" at 41.085,14.234 h0.76; Top Overlay "7" at 42.202,14.208 h0.76; Top Overlay "6" at 43.269,14.208 h0.76; Top Overlay "5" at 44.336,14.208 h0.76; Top Overlay "4" at 45.403,14.183 h0.76; Top Overlay "3" at 46.596,14.183 h0.76; Top Overlay "2" at 47.663,14.183 h0.76; Top Overlay "1" at 48.755,14.158 h0.76
USB1: Top Overlay "+" at 42.926,91.389 h1.02 r270